# Altium PCB pdb.PcbDoc (part 2 of 3)
Units mm, origin at the board's own origin, x right, y up, seen from the top; angles counter-clockwise.
Board outline 115 x 96 mm, 4 copper layers (Top Layer, PGND, +PBAT, Bottom Layer); 275 components, 205 nets, 915 pads, 468 vias.
Unrouted connection lines stored in the file: 88.
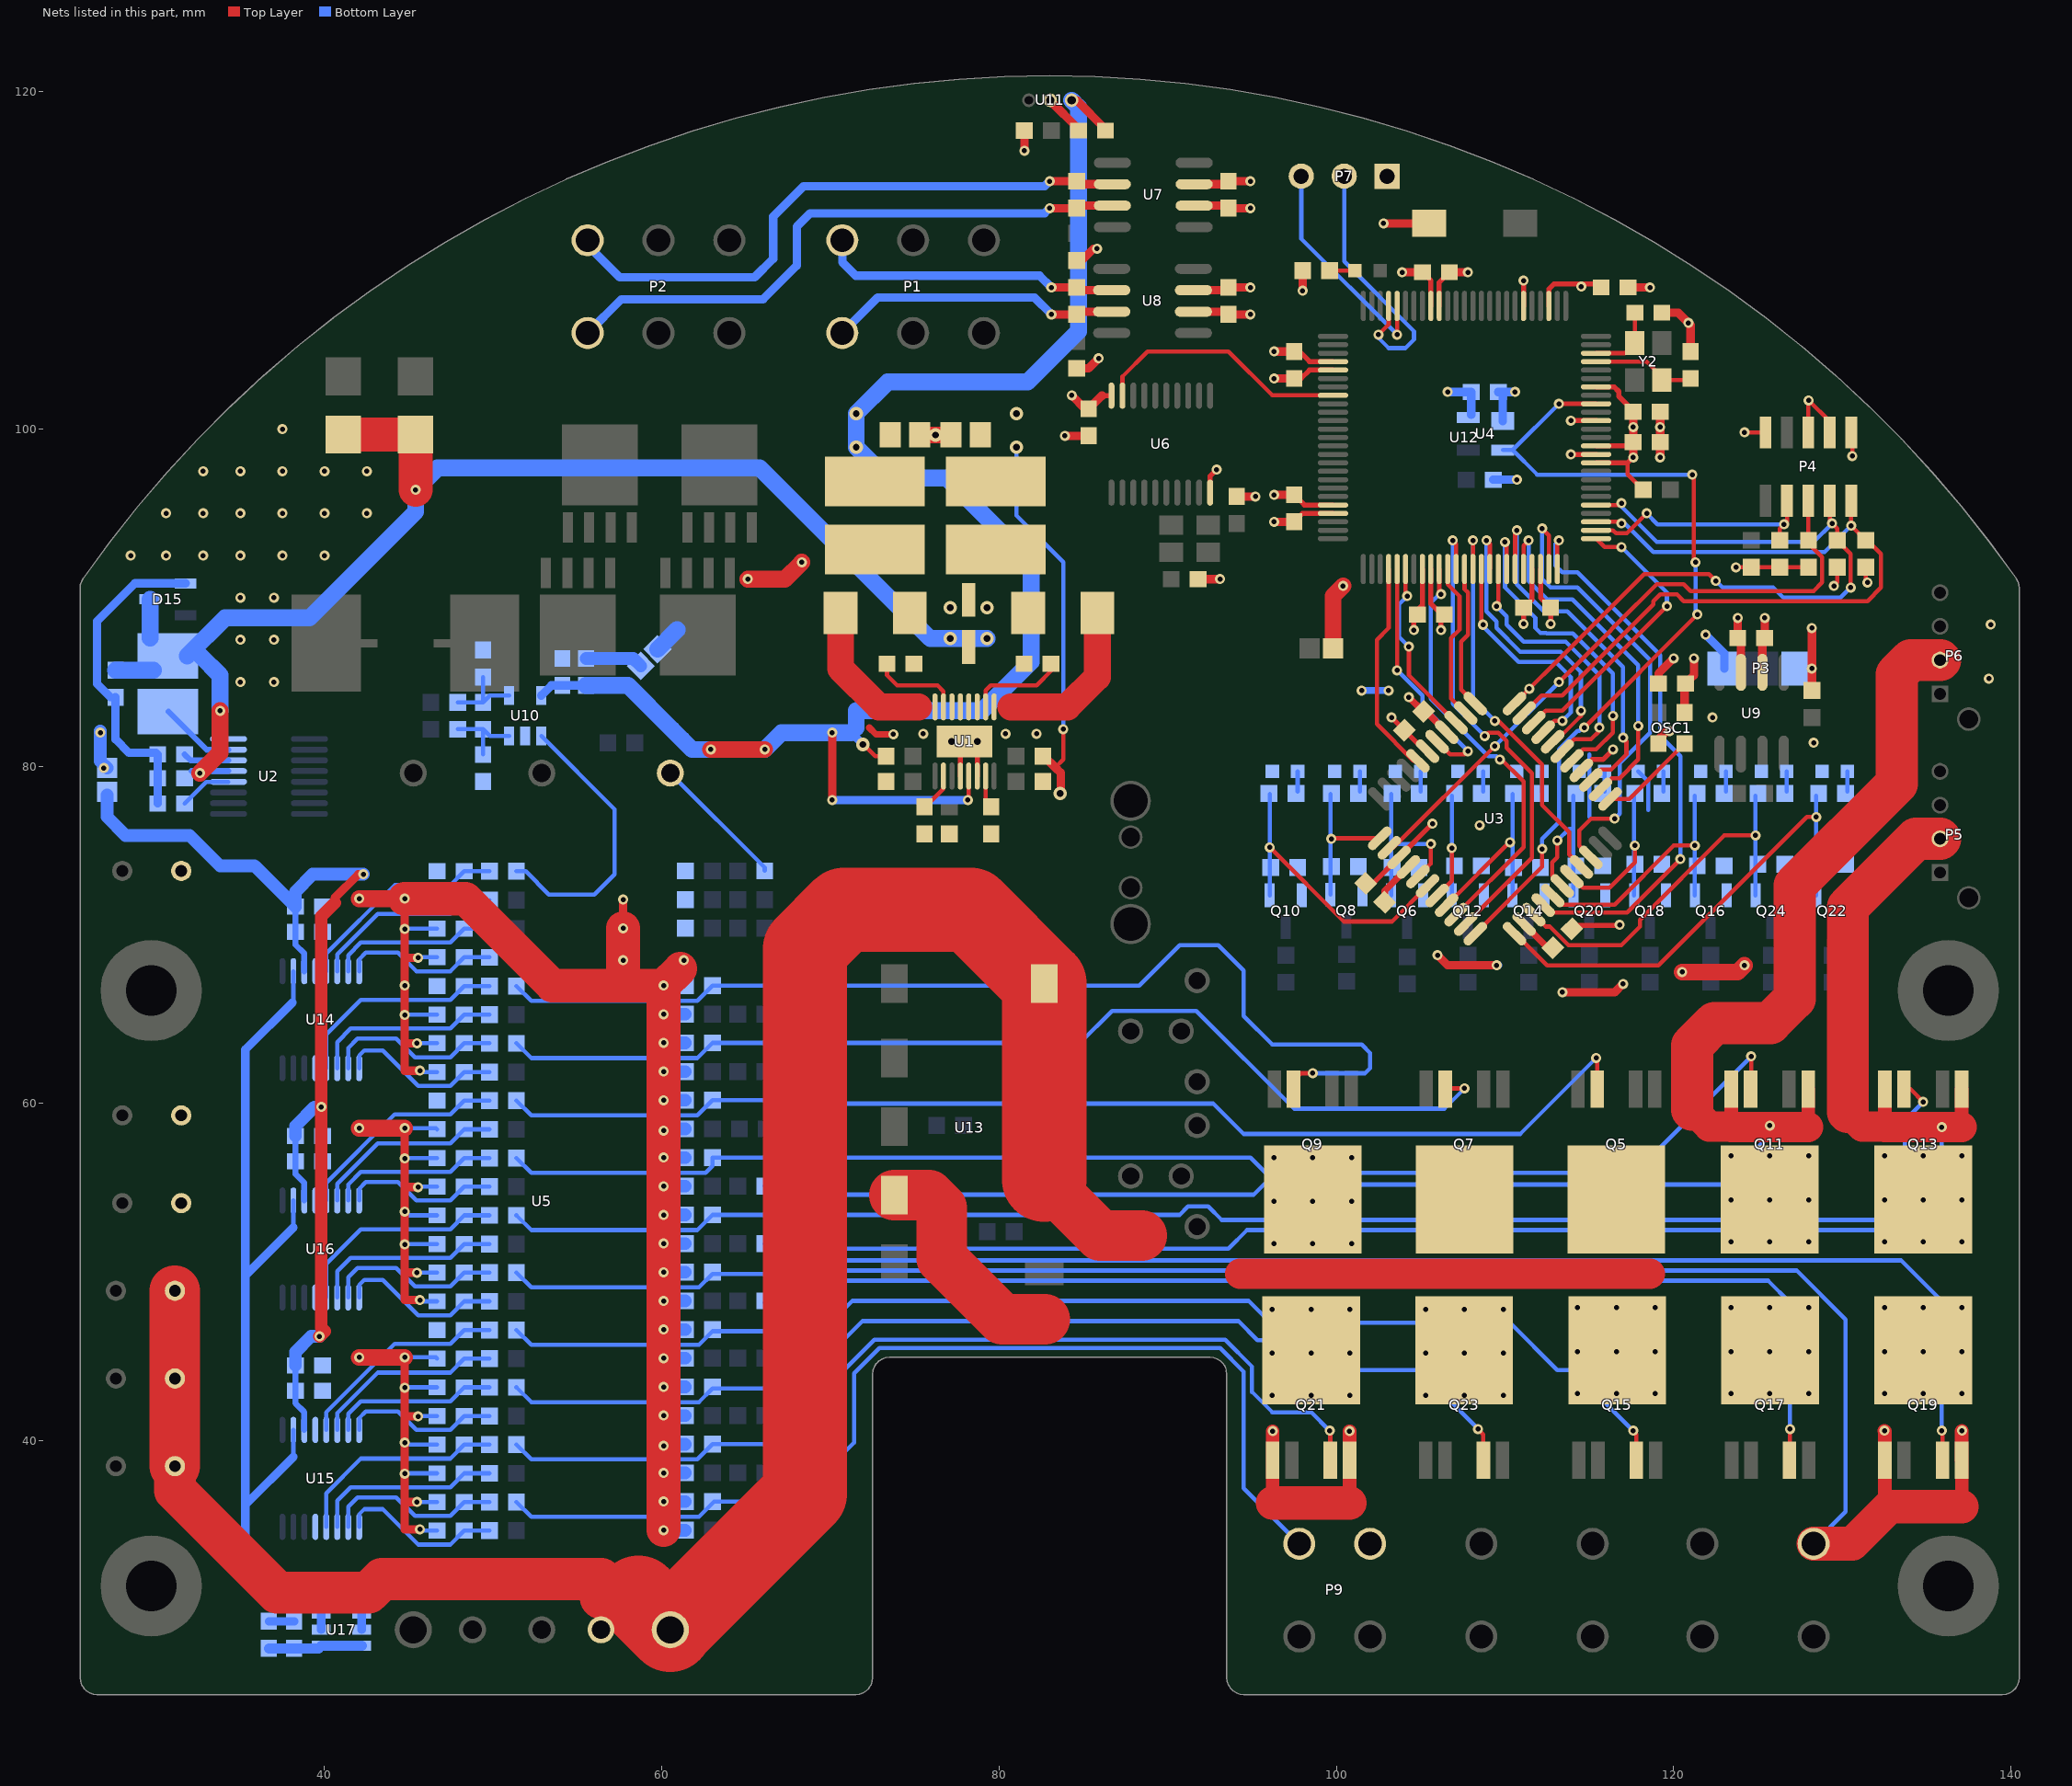
[diagram p4: the nets of this part, all layers, seen from the top]

## Part data
C1 C73 C74 C75 C76 C78 C79: "Polarized Capacitor (Radial)"
C2 C3 C4 C5 C6 C7 C8 C9 C10 C11 C12 C13 C14 C15 C16 C17 C18 C19 C20 C21 C22 C23 C24 C25 C26 C27 C28 C29 C30 C31 C32 C33 C34 C35 C36 C37 C38 C39 C40 C41 C42 C43 C44 C45 C46 C47 C48 C49 C50 C51 C52 C53 C54 C55 C56 C57 C58 C59 C60 C61 C62 C63 C64 C65 C66 C67 C68 C69 C70 C71 C72: "Capacitor"
D1 D2: "Schottky Diode"
D3 D4 D15: "Default Diode"
D5 D6 D7 D8 D9 D10 D11 D12 D13 D14 D16: library part LED2, "Typical RED, GREEN, YELLOW, AMBER GaAs LED"
NT1 NT2 NT3: library part NetTie
OSC1: "TXC - 8W-24.000MBB-T - OSC, 24.000MHZ, 3.3V, SMD, 2.5X2.0"
P1 P2: "Header, 3-Pin, Dual row"
P3 P7: "Header, 3-Pin"
P4: "Header, 5-Pin, Dual row"
P5 P6: "Header, 4-Pin"
P9: "Header, 2-Pin, Dual row"
P10 P11 P12 P13 P14 P15 P16: "Header, 2-Pin"
Q1 Q2 Q3 Q4: "NXP - PSMN1R7-30YL - MOSFET, N CH 30V 100A SOT669"
Q5 Q7 Q9 Q11 Q13 Q15 Q17 Q19 Q21 Q23: "INFINEON - BTS6133D - IC, PROFET, P-TO252-5"
Q6 Q8 Q10 Q12 Q14 Q16 Q18 Q20 Q22 Q24: "N-Channel MOSFET"
R1 R2 R3 R4 R5 R10 R11 R12 R13 R14 R15 R16 R17 R18 R19 R20 R21 R22 R23 R24 R25 R26 R27 R28 R32 R33 R80 R111 R112 R113 R116: library part Res2, "Resistor"
R6: "Resistor Kelvin"
R7 R8 R9 R29 R30 R31 R35 R36 R37 R38 R39 R40 R41 R42 R43 R44 R45 R46 R47 R48 R49 R50 R51 R52 R53 R54 R55 R56 R57 R58 R59 R60 R61 R62 R63 R64 R65 R66 R67 R68 R69 R70 R71 R72 R73 R74 R75 R76 R77 R78 R79 R81 R82 R83 R84 R85 R86 R87 R88 R89 R90 R91 R92 R93 R94 R95 R96 R97 R98 R99 R100 R101 R102 R103 R104 R105 R106 R107 R108 R109 R110 R114 R115: "Resistor"
S1: "Switch"
U2: "IC SWITCH DVR PWRPATH DUAL16SSOP"
U3: "FastFLASH XC900XL, 3.3V High-Performance CPLD with 72 Macrocells, 44-Pin VQFP, Commercial Grade, Pb-Free"
U4: "STMICROELECTRONICS - STM811TW16F - MPU LOW RESET 3.08V, SOT-143-4, 811"
U5: "MURATA POWER SOLUTIONS - UQQ-12/8-Q12PB-C - CONVERTER, DC/DC, 8A 12-12V Q-BRICK"
U6: "MICROCHIP - MCP2515-I/ST - CAN CONTROLLER, SMD, 2515, TSSOP20"
U7 U8 U9: "TEXAS INSTRUMENTS - SN65HVD230DR - TRANSCEIVER CAN, 65HVD230, SOIC8"
U10: "ANALOG DEVICES - AD8211YRJZ-R2 - IC, CURRENT,MONITOR,0.25%,SOT23-5"
U11: "ALLEGRO MICROSYSTEMS - A1101EUA-T - HALL EFFECT SWITCH, SIP-3, 1101"
U13: "MURATA POWER SOLUTIONS - LSM2-T/6-D12-C - CONVERTER, DC/DC, 0.75-5V/6A"
U14 U15 U16: "ANALOG DEVICES - AD7888ARUZ - IC, 12BIT ADC, 8CH, SERIAL, 16TSSOP"
U17: "ANALOG DEVICES - ADR3433ARJZ - IC, VOLT REF, 3.3V, 6SOT23"
Y1 Y2: "Crystal Oscillator"

## Free pads (board coordinates)
  round 6 hole 3: 1(29.714,31.397) 1(29.714,66.7) 1(136.286,31.397) 1(136.286,66.7)

## Via types
v1: diameter 0.6, hole 0.3, Top Layer to Bottom Layer, 367 vias
v2: diameter 0.6, hole 0.3, Top Layer to Bottom Layer, tented both sides, 87 vias
v3: diameter 0.8, hole 0.4, Top Layer to Bottom Layer, tented both sides, 14 vias

## Nets (pads, with @x,y where several pads share a name; then routed paths per layer and width w, separated by ;. In a path a pad name is that pad's centre, name@x,y a point inside that pad or via, vN(x,y) a via of type N, cw(c..) or ccw(c..) an arc to the next point about the centre after c; other vN are vias at no path point)
+3.3: C4.1 C11.1 C12.1 C13.1 C14.1 C15.1 C17.1 C20.1 C21.1 C22.1 C25.1 C26.1 C27.1 C28.1 C31.1 C32.1 C33.1 C34.1 L1.1 NT3.1 OSC1.4 P3.1 P4.1 R1.2 R21.2 R22.2 R23.2 R24.2 R25.2 R32.1 R33.2 R116.2 U3.15 U3.26 U3.35 U4.4 U6.20 U7.3 U8.3 U9.3 U12.10 U12.12 U12.19 U12.28 U12.42 U12.54 U12.71 U12.84 U12.96 | length 100.3
  Top Layer w0.25: 83.333,79.933 83.8,80.4 v1(83.8,82.2) ; 117.275,98 117.275,97.325 R33.2@118.2,96.4 ; v1(123.7,91.8) R24.2@128,91.8 ; v1(129.5,90.7) 129.7,90.9 R22.2@129.7,91.8 ; P4.1@130.525,99.8 130.6,99.725 v1(130.6,98.4) ; R21.2@131.4,91.8 131.4,91 v1(131.5,90.9)
  Top Layer w0.3: 86.117,101.983 U6.20@86.661,101.983 ; C27.1@97.5,96.1 98.1,95.5 U12.71@99.8,95.5 ; C28.1@97.5,104.6 97.8,104.6 98.4,104 U12.54@99.8,104 ; C31.1@105.1,109.3 105.6,108.8 U12.42@105.6,107.3 ; U12.84@105.6,91.7 105.6,89.65 106.2,89.05 v2(106.2,88.075) ; v2(111.1,88.45) C25.1@111.1,89.4 111.6,89.9 U12.96@111.6,91.7 ; U12.28@112.6,107.3 112.6,108.3 112.9,108.6 C34.1@115.5,108.6 ; U12.10@115.4,98 117.275,98 v2(117.6,98.325) ; U12.12@115.4,99 C32.1@117.375,99 ; U12.19@115.4,102.5 116.475,102.5 116.75,102.225 116.75,101.95 117.6,101.1 C33.1@117.6,101.025 ; C32.1@117.3,98.925 C32.1@117.375,99 ; C32.1@117.6,99.225 C32.1@117.375,99
  Top Layer w0.4: C13.1@102.866,71.934 102.866,72.628 U3.26@104.273,74.036 ; v1(104.3,84.1) 105.134,83.266 105.297,83.266 U3.15@106.536,82.027 ; U3.35@111.132,70.642 112.34,69.434
  Top Layer w0.5: v1(81.5,116.5) R32.1@81.5,117.7 ; R1.2@82.6,80.6 82.666,80.6 83.333,79.933 83.65,79.616 v3@83.65,78.584 ; v1(84.3,102) 85.1,101.2 C17.1@85.3,101.2 86.083,101.983 86.117,101.983 ; U8.3@91.525,108.235 C21.1@93.435,108.235 ; U7.3@91.568,114.521 C20.1@93.421,114.521 ; C21.1@93.6,108.4 v1(94.9,108.4) ; C20.1@93.6,114.7 v1(94.9,114.7) ; v2(96.3,96.1) C27.1@97.5,96.1 ; v2(96.3,104.6) C28.1@97.5,104.6 ; v1(98,108.2) R116.2@98,109.4 ; v1@103.9,109.3 C31.1@105.1,109.3 ; v2(117.6,98.325) C32.1@117.6,99.225 v2(117.6,100.125) C33.1@117.6,101.025 ; OSC1.4@120.65,83.2 120.65,84.85 C11.1@120.7,84.9 121.2,85.4 v1(121.2,86.4) ; C22.1@123.8,87.6 v1(123.8,88.8) ; U9.3@123.99,85.575 C22.1@123.99,87.41
  Bottom Layer w0.25: v3(81.025,98.925) 81.025,94.875 83.8,92.1 v1(83.8,82.2)
  Bottom Layer w0.4: v1(101.5,84.5) v1(103.1,84.5)
  Bottom Layer w0.5: v1(106.6,102.2) C15.1@108,102.2 U4.4@108,100.855 ; v1(121.9,87.8) 123,86.7 P3.1@123,85.8
  Bottom Layer w0.75: v1@26.7,82.1 26.7,81.1 26.7,80.3 NT3.1@27.1,79.9
  other v1: 26.7,82 103.9,109.3
  other v2: 26.9,79.9 114.525,108.45
  other v3: 83.625,78.4 81.025,100.925
+5: C5.1 C23.1 C24.1 C72.1 L2.2 R2.2 U1.13 U10.5 U11.1 | length 102.7
  Top Layer w0.25: v3@72.025,81.225 72.65,80.6 R2.2@73.3,80.6 ; v2@78.2,78 U1.13@78.2,79.425
  Top Layer w0.5: v1(70.1,78) v1(70.1,82) ; U11.1@84.6,119.5 86.3,117.8 C24.1@86.3,117.7
  Top Layer w1: v1(62.9,81) 63.7,81 v1(66.1,81)
  Bottom Layer w0.5: U10.5@52.85,84.2 53.45,84.8 C23.1@54.1,84.8 C72.1@55.5,84.8 ; v1(70.1,78) v2(78.15,78) ; 71.225,82 v3(71.925,81.3)
  Bottom Layer w1: C72.1@55.5,84.8 58,84.8 60.6,82.2 ; 61.2,81.6 60.6,82.2 ; v1(62.9,81) 61.8,81 60.6,82.2 ; v1(66.1,81) 67.1,82 v1(70.1,82) 71.225,82 ; 71.525,82.3 71.525,83.3 79,83.3 81.9,86.2 81.9,92.1 76.9,97.1 73.35,97.1 v3(71.525,98.925) v3(71.525,100.925) 73.4,102.8 81.7,102.8 84.7,105.8 84.7,119.1 U11.1@84.3,119.5
+A3.3: C36.1 C37.1 C46.1 C47.1 C56.1 C57.1 NT3.2 U14.3 U15.3 U16.3 | length 65.9
  Top Layer w0.5: 40.6,71.9 40.6,72.2 v1@42,73.6
  Top Layer w0.75: v1(39.7,46.2) 40,46.5 39.8,46.7 v1(39.8,59.8) 39.8,71.1 40.6,71.9
  Bottom Layer w0.35: C46.1@38.275,44.475 38.275,43.7 C47.1@38.275,42.975 38.275,42.225 38.8,41.7 U15.3@38.8,40.65 ; C56.1@38.275,58.075 38.275,57.3 C57.1@38.275,56.575 38.275,55.825 38.8,55.3 U16.3@38.8,54.25 ; C36.1@38.275,71.675 C37.1@38.275,70.175 38.275,69.425 38.8,68.9 U14.3@38.8,67.85
  Bottom Layer w0.75: NT3.2@27.1,78.3 27.1,77 28.2,75.9 32,75.9 33.8,74.1 35.85,74.1 C36.1@38.275,71.675 38.275,72.575 39.3,73.6 v1(42.3,73.6) ; C46.1@38.275,44.475 38.275,45.275 39.2,46.2 v1(39.7,46.2) ; C56.1@38.275,58.075 38.275,58.675 39.4,59.8 v1(39.8,59.8)
+A5: C65.1 C66.1 U17.3 U17.4 | length 5.3
  Bottom Layer w0.6: C65.1@36.7,27.7 C66.1@38.2,27.7 U17.4@39.65,27.7 ; U17.4@39.8,27.85 U17.3@42.2,27.85
+P5: Q5.6 U13.6 | length 38
  Top Layer w1.8: 94.3,49.9 118.6,49.9
  Top Layer w3: U13.6@73.79,54.58 75.82,54.58 76.6,53.8 76.6,50.8 80.2,47.2 82.7,47.2
+P12: C74.1 C75.1 C76.1 Q7.6 Q9.6 U5.7 U5.8 U13.2 | length 124.2
  Top Layer w2.5: C76.1@31.125,38.5 31.125,37.075 37.2,31 42.6,31 43.4,31.8 56.39,31.8 ; 56.39,30.69 58.61,30.69
  Top Layer w3: C76.1@31.125,38.5 C75.1@31.125,43.7 C74.1@31.125,48.9 ; 82.68,55.495 86,52.175 88.45,52.175
  Top Layer w5: 58.61,30.69 U5.8@60.46,28.84 ; U5.8@60.5,28.8 U5.8@60.46,28.84 ; 82.68,55.495 U13.2@82.68,67.13 78.31,71.5 70.8,71.5 68.476,69.176 68.476,36.856 U5.8@60.46,28.84
  other v1: 96.3,51.7 98.6,51.7 100.9,51.7 96.3,54.2 98.6,54.2 100.9,54.2 96.3,56.8 98.6,56.8 100.9,56.8
+PBAT: C73.1 C78.1 C79.1 Q11.6 Q13.6 Q15.6 Q17.6 Q19.6 Q21.6 Q23.6 R9.2 U5.3 | length 8.1
  Bottom Layer w0.25: U5.3@60.5,79.6 66.1,74 R9.2@66.1,73.8
  other v1: 96.2,42.7 98.5,42.7 100.8,42.7 105.3,42.7 107.6,42.7 109.9,42.7 114.3,42.8 116.6,42.8 118.9,42.8 123.4,42.8 125.7,42.8 128,42.8 132.5,42.8 134.8,42.8 137.1,42.8 96.2,45.2 98.5,45.2 100.8,45.2 105.3,45.2 107.6,45.2 109.9,45.2 114.3,45.3 116.6,45.3 118.9,45.3 123.4,45.3 125.7,45.3 128,45.3 132.5,45.3 134.8,45.3 137.1,45.3 96.2,47.8 98.5,47.8 100.8,47.8 105.3,47.8 107.6,47.8 109.9,47.8 114.3,47.9 116.6,47.9 118.9,47.9 123.4,47.9 125.7,47.9 128,47.9 132.5,47.9 134.8,47.9 137.1,47.9 123.4,51.8 125.7,51.8 128,51.8 132.5,51.8 134.8,51.8 137.1,51.8 123.4,54.3 125.7,54.3 128,54.3 132.5,54.3 134.8,54.3 137.1,54.3 123.4,56.9 125.7,56.9 128,56.9 132.5,56.9 134.8,56.9 137.1,56.9
  other v2: 35,85 37,85 35,87.5 37,87.5 35,90 37,90 28.5,92.5 30.6,92.5 32.8,92.5 35,92.5 37.5,92.5 40,92.5 30.6,95 32.8,95 35,95 37.5,95 40,95 42.5,95 32.8,97.5 35,97.5 37.5,97.5 40,97.5 42.5,97.5 37.5,100
AGND: C23.2 C35.2 C36.2 C37.2 C38.2 C39.2 C40.2 C41.2 C42.2 C43.2 C44.2 C45.2 C46.2 C47.2 C48.2 C49.2 C50.2 C51.2 C52.2 C53.2 C54.2 C55.2 C56.2 C57.2 C58.2 C59.2 C60.2 C61.2 C62.2 C63.2 C64.2 C65.2 C66.2 C67.2 C69.1 C70.1 C72.2 NT2.2 R10.2 R11.2 R12.2 R37.1 R38.1 R42.1 R43.1 R47.1 R48.1 R52.1 R53.1 R57.1 R58.1 R62.1 R63.1 R67.1 R68.1 R72.1 R73.1 R77.1 R78.1 R83.1 R84.1 U10.2 U14.4 U14.13 U15.4 U15.13 U16.4 U16.13 U17.1 U17.2 | length 166.2
  Top Layer w0.5: v1(44.75,44.95) v1(44.75,43.15) v2(44.75,39.9) v1(44.75,38.05) 44.75,34.75 v1(45.65,34.75) ; v1(44.75,58.55) v1(44.75,56.75) v2(44.75,53.6) v1(44.75,51.65) 44.75,48.35 v1(45.65,48.35) ; v1(44.75,72.15) v1(44.75,70.35) v2(44.75,67) v1(44.75,65.25) 44.75,61.95 v1(45.65,61.95) ; 44.775,49.975 v1(45.475,49.975) ; 44.775,63.575 v1(45.475,63.575) ; 44.8,41.45 v1(45.55,41.45) ; 44.8,55.05 v1(45.55,55.05) ; 44.8,68.65 v1(45.55,68.65) ; 44.825,36.375 v1(45.475,36.375) ; v1(57.7,70.4) 57.7,71.1 v1(57.7,72.1) ; 61.1,68 v2@61.1,68.5
  Top Layer w1: v1(42.05,44.95) v1(44.75,44.95) ; v1(42.05,58.55) v1(44.75,58.55) ; v1(42.05,72.15) v1(44.75,72.15)
  Top Layer w2: v1(44.75,72.15) 48.35,72.15 53.5,67 57.7,67 ; v1(57.7,70.4) 57.7,67 ; v2(60.1,34.7) v2(60.1,36.4) v2(60.1,38.1) v2(60.1,39.7) v2(60.1,41.5) v2(60.1,43.2) v2(60.1,44.9) v2(60.1,46.6) v2(60.1,48.3) v2(60.1,50) v2(60.1,51.7) v2(60.1,53.4) v2(60.1,55.1) v2(60.1,56.8) v2(60.1,58.4) v2(60.1,60.2) v2(60.1,61.9) v2(60.1,63.6) v2(60.1,65.3) v2(60.1,67) ; 61.1,68 v2(60.1,67) ; 57.7,67 v2(60.1,67)
  Bottom Layer w0.25: v1(44.75,44.95) 46.6,44.95 C48.2@46.675,44.875 ; v1(44.75,58.55) 46.6,58.55 C58.2@46.675,58.475 ; v1(44.75,65.25) 44.775,65.275 C43.2@46.675,65.275 ; v1(44.75,70.35) 44.775,70.375 C39.2@46.675,70.375 ; v1(44.75,72.15) 46.6,72.15 C38.2@46.675,72.075 ; v1@44.775,38.075 C53.2@46.675,38.075 ; v1@44.775,43.175 C49.2@46.675,43.175 ; v1@44.775,51.675 C63.2@46.675,51.675 ; v1@44.775,56.775 C59.2@46.675,56.775 ; v2@44.875,39.775 C54.2@46.675,39.775 ; 44.975,53.375 C64.2@46.675,53.375 ; v1(45.475,36.375) C52.2@46.675,36.375 ; v1(45.475,49.975) C62.2@46.675,49.975 ; v1(45.475,63.575) C42.2@46.675,63.575 ; v1(45.55,41.45) 45.575,41.475 C50.2@46.675,41.475 ; v1(45.55,55.05) 45.575,55.075 C60.2@46.675,55.075 ; v1(45.55,68.65) 45.575,68.675 C40.2@46.675,68.675 ; v1(45.65,34.75) 45.575,34.675 C51.2@46.675,34.675 ; v1(45.65,48.35) 45.575,48.275 C61.2@46.675,48.275 ; v1(45.65,61.95) 45.575,61.875 C41.2@46.675,61.875
  Bottom Layer w0.5: C65.2@36.7,29.3 C66.2@38.2,29.3 ; C67.2@41.4,31.3 42.2,30.5 U17.1@42.2,29.75 U17.2@42.2,28.8
  Bottom Layer w0.75: C72.2@55.5,86.4 58.303,86.4 NT2.2@58.751,85.951 ; v2(60.1,34.7) R78.1@61.4,34.7 ; v2(60.1,36.4) R77.1@61.4,36.4 ; v2(60.1,38.1) R84.1@61.4,38.1 ; v2(60.1,41.5) R63.1@61.4,41.5 ; v2(60.1,43.2) R62.1@61.4,43.2 ; v2(60.1,44.9) R68.1@61.4,44.9 ; v2(60.1,46.6) R67.1@61.4,46.6 ; v2(60.1,48.3) R73.1@61.4,48.3 ; v2(60.1,50) R72.1@61.4,50 ; v2(60.1,51.7) R58.1@61.4,51.7 ; v2(60.1,53.4) R57.1@61.4,53.4 ; v2(60.1,55.1) R53.1@61.4,55.1 ; v2(60.1,56.8) R52.1@61.4,56.8 ; v2(60.1,60.2) R37.1@61.4,60.2 ; v2(60.1,61.9) R43.1@61.4,61.9 ; v2(60.1,63.6) R42.1@61.4,63.6 ; v2(60.1,65.3) R48.1@61.4,65.3 ; v2@60.2,39.8 R83.1@61.4,39.8 ; v2@60.2,58.5 R38.1@61.4,58.5
  other v2: 57.7,68.5 61.3,68.5
AREF: C67.1 U14.2 U15.2 U16.2 U17.5 U17.6 | length 55.9
  Bottom Layer w0.25: 38.1,66 38.15,66.05 U14.2@38.15,67.85 ; 38.15,39.05 U15.2@38.15,40.65 ; 38.15,52.65 U16.2@38.15,54.25
  Bottom Layer w0.5: 35.3,50.9 35.3,36.2 ; 38.1,66 35.3,63.2 35.3,49.8 38.15,52.65 ; 38.15,39.05 35.3,36.2 ; U17.5@39.8,28.8 U17.6@39.8,29.75 C67.1@39.8,31.3 37.4,31.3 35.3,33.4 35.3,36.2
B\R\D\_\R\S\T\: U3.33 U4.2 U12.17 | length 50.8
  Top Layer w0.25: U3.33@108.233,70.076 112.2,74.043 v1(112.2,75.1) ; v1(113.2,101.5) U12.17@115.4,101.5 ; v1(114.7,82.3) v1(121.4,89) ; v1(121.1,97.3) 121.2,97.2 121.2,92.2 v1(121.3,92.1)
  Bottom Layer w0.25: U4.2@109.868,98.753 U4.2@110.453,98.753 ; v1(112.2,75.1) 112.2,75.7 113.2,76.7 113.2,81 114.3,82.1 114.4,82.1 114.6,82.3 v1(114.7,82.3) ; v1(113.2,101.5) U4.2@110.453,98.753 ; v1(121.1,97.3) 111.906,97.3 U4.2@110.453,98.753 ; v1(121.3,92.1) 121.3,89.1 v1(121.4,89)
C\A\N\_\R\S\T\: U6.19 U12.58 | length 15.3
  Top Layer w0.25: U6.19@87.311,101.983 87.311,103.111 88.8,104.6 93.6,104.6 96.2,102 U12.58@99.8,102
"CAN_H_U_battery conn1": P1.5 R30.2 U8.7 | length 17.1
  Top Layer w0.5: v1(83.1,106.8) R30.2@84.6,106.8 ; R30.2@84.765,106.965 U8.7@86.675,106.965
  Bottom Layer w0.5: P1.5@70.7,105.7 72.8,107.8 82.1,107.8 v1(83.1,106.8)
"CAN_H_U_battery conn2": P2.5 R31.2 U7.7 | length 35.4
  Top Layer w0.5: v1(83,113.1) R31.2@84.6,113.1 ; R31.2@84.751,113.251 U7.7@86.718,113.251
  Bottom Layer w0.5: P2.5@55.6,105.7 57.6,107.7 66,107.7 68,109.7 68,112 68.8,112.8 82.7,112.8 v1(83,113.1)
"CAN_L_U_battery conn1": P1.6 R30.1 U8.6 | length 17.7
  Top Layer w0.5: v1(83.1,108.4) R30.1@84.6,108.4 ; R30.1@84.765,108.235 U8.6@86.675,108.235
  Bottom Layer w0.5: P1.6@70.7,111.2 70.7,109.9 71.5,109.1 82.4,109.1 v1(83.1,108.4)
"CAN_L_U_battery conn2": P2.6 R31.1 U7.6 | length 35.9
  Top Layer w0.5: v1(83,114.7) R31.1@84.6,114.7 ; R31.1@84.779,114.521 U7.6@86.718,114.521
  Bottom Layer w0.5: P2.6@55.6,111.2 55.6,110.9 57.5,109 65.5,109 66.6,110.1 66.6,112.6 68.4,114.4 82.7,114.4 v1(83,114.7)
CPLD0: U3.18 U12.79 | length 12.8
  Top Layer w0.25: U12.79@103.1,91.7 103.1,88.2 102.4,87.5 102.4,82.5 104.571,80.329 U3.18@104.839,80.329
CPLD1: U3.16 U12.80 | length 14.9
  Top Layer w0.25: v1(103.6,85.7) U12.80@103.6,91.7 ; U3.16@105.875,81.461 U3.16@105.971,81.461 106.731,80.7 107.6,80.7 v1(107.8,80.9)
  Bottom Layer w0.25: v1(103.6,85.7) 105.1,84.2 105.1,83.6 v1(107.8,80.9)
CPLD2: U3.14 U12.81 | length 10.8
  Top Layer w0.25: U12.81@104.1,91.7 104.1,90.2 v1(104.2,90.1) ; v1(104.3,87.1) 104.3,85.394 U3.14@107.102,82.592
  Bottom Layer w0.25: v1(104.2,90.1) 103.7,89.6 103.7,87.7 v1(104.3,87.1)
CPLD3: U3.2 U12.95 | length 21.4
  Top Layer w0.25: U12.95@111.1,91.7 111.1,93.1 v1(111.4,93.4) ; U3.2@115.658,78.632 116.325,79.3 116.8,79.3 117.9,80.4 v1(117.9,82.4)
  Bottom Layer w0.25: v1(111.4,93.4) 111.4,91 112.5,89.9 114,89.9 117.9,86 v1(117.9,82.4)
CPLD4: U3.3 U12.94 | length 21.9
  Top Layer w0.25: U12.94@110.6,91.7 110.6,93.9 v1(110.7,94) ; U3.3@115.092,79.198 115.694,79.8 116.3,79.8 117.2,80.7 117.2,81.5 v1(117,81.7)